# KiCad board yddraig09.kicad_pcb (continued)
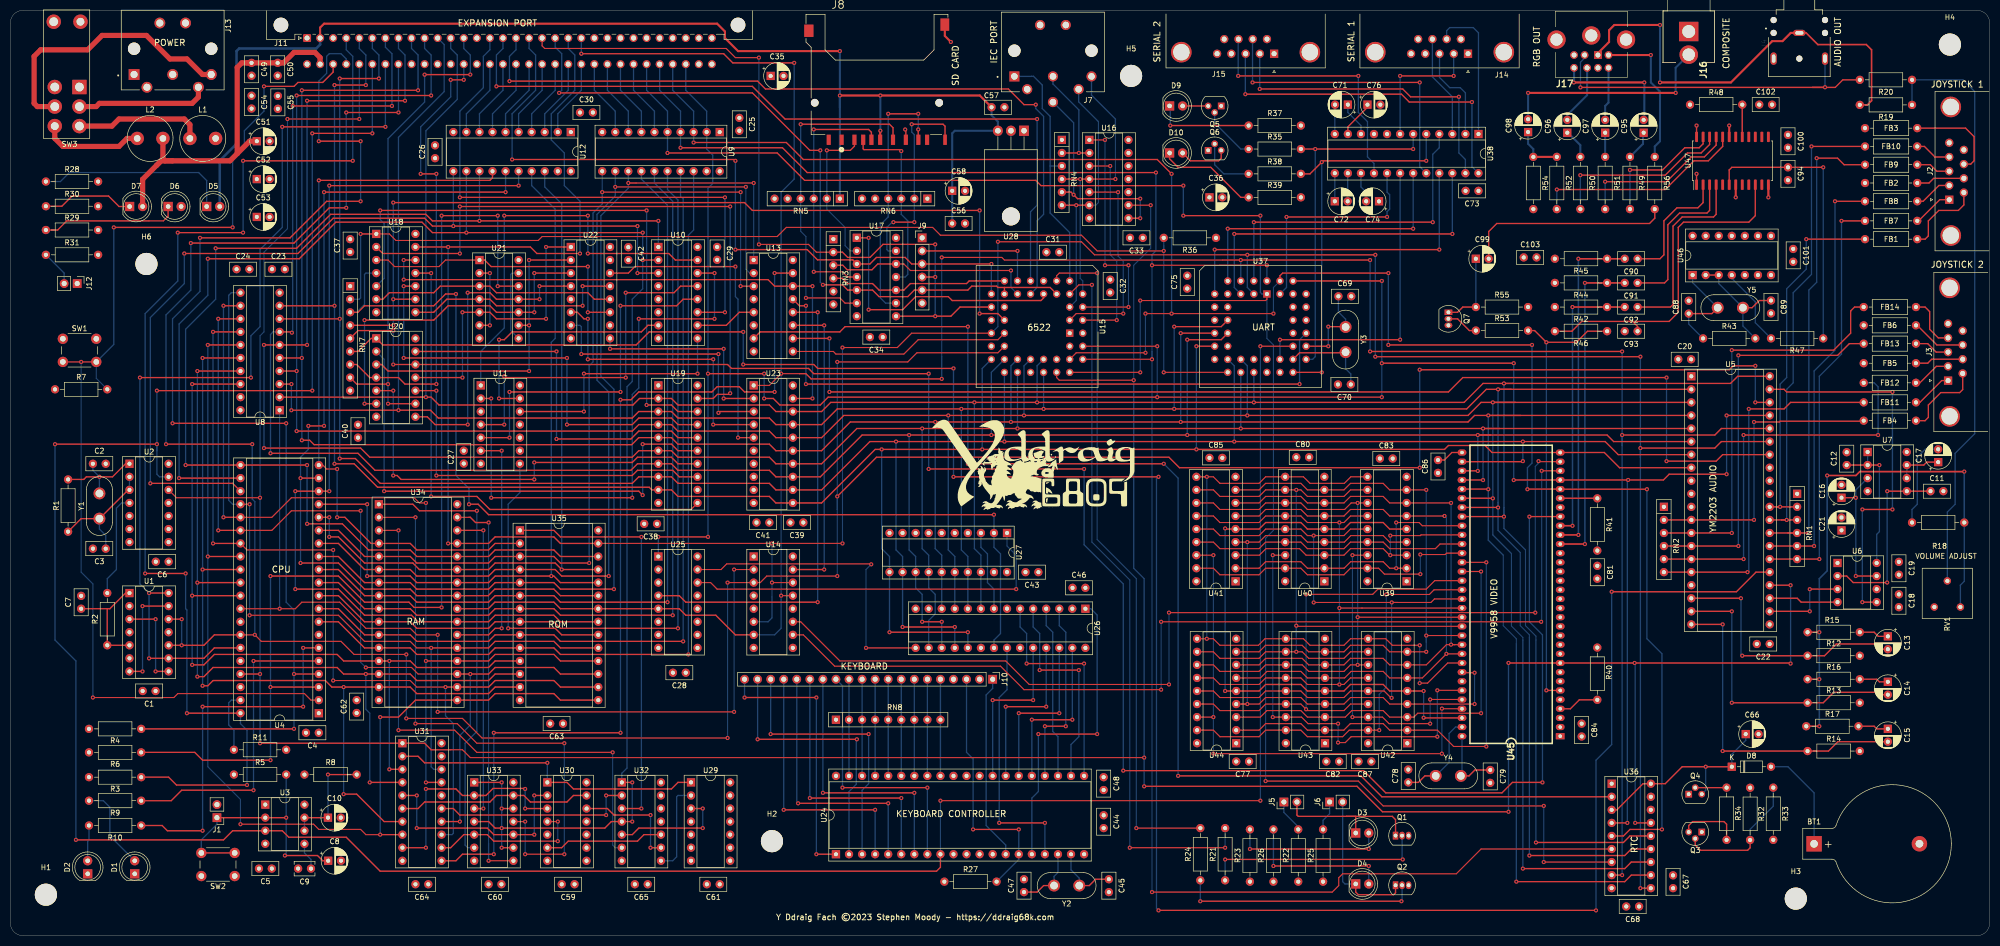
[diagram p0: board, top side]
## Routing (per net, layer and track width the routed paths; a pad name or vN(x,y) marks a point on that pad's centre or on a via; arc(x,y) is an arc through that point) (continued)
  Top w0.25: v1(111.57,109.32) v1(133.67,109.32) ; U11.12 v1(111.57,101.96)
  Bottom w0.25: v1(133.67,109.32) U10.9 ; v1(111.57,109.32) v1(111.57,101.96)
/Decode Logic/~{MEME}: length 47.6
  Top w0.25: v1(95.06,115.93) 96.08,115.93 97.6,117.45 122.75,117.45 124.02,118.72 U10.7 ; v1(95.06,104.5) U11.13
  Bottom w0.25: v1(95.06,115.93) v1(95.06,104.5)
/Decode Logic/~{VDP_RD}: length 197.4
  Top w0.21: v1(296.61,62.84) v1(225.36,62.84) ; U14.11 153.74,61.06 161.36,53.44 193.61,53.44 198.19,48.87 v1(225.36,48.87) ; v1(297.25,92.3) 297.34,92.21 U45.31
  Bottom w0.21: v1(296.61,62.84) 296.61,91.29 297.12,91.8 297.12,92.18 v1(297.25,92.3) ; v1(225.36,48.87) v1(225.36,62.84)
/Decode Logic/~{VDP_WR}: length 196.2
  Top w0.21: v1(223.84,61.06) v1(297.75,61.06) ; U14.10 154.24,58.52 160.34,52.43 192.6,52.43 197.17,47.85 v1(223.84,47.85) ; U45.30 v1(297.85,90.43)
  Bottom w0.21: v1(297.85,90.43) 297.85,61.16 v1(297.75,61.06) ; v1(223.84,47.85) v1(223.84,61.06)
/Interrupts/~{IRQ0}: length 213.9
  Top w0.21: v1(224.35,133.2) 211.39,133.2 208.35,136.25 180.91,136.25 179.39,137.77 150.94,137.77 149.16,135.99 103.44,135.99 102.68,135.23 75,135.23 73.73,136.5 U18.1 ; v1(224.35,109.58) U37.18
  Top w0.25: v1(68.14,136.5) U18.1
  Bottom w0.21: 224.35,134.21 R36.2 ; 224.35,134.21 v1(224.35,109.58) ; 224.35,134.21 v1(224.35,133.2)
  Bottom w0.25: v1(68.14,136.5) 68.14,124.05 67.88,123.8 RN7.2
/Interrupts/~{IRQ3}: length 374
  Top w0.25: v1(216.47,32.11) 263.21,32.11 267.53,27.79 290.13,27.79 292.17,29.82 v1(298.01,29.82) ; v1(74.49,117.7) 67.63,117.7 RN7.5 ; U45.25 295.49,81.53 v1(295.47,81.51) ; v1(74.49,111.1) U20.12 139.51,111.1 140.27,110.34 155.26,110.34 156.28,109.32 v1(178.63,109.32) ; v1(178.63,90.78) v1(208.85,90.78)
  Bottom w0.25: v1(216.47,32.11) 216.47,68.43 208.85,76.05 v1(208.85,90.78) ; v1(74.49,111.1) v1(74.49,117.7) ; v1(295.47,81.51) 295.47,61.06 298.01,58.52 v1(298.01,29.82) ; v1(178.63,109.32) v1(178.63,90.78)
/Interrupts/~{IRQ5}: length 88.6
  Top w0.25: v1(79.82,148.18) v1(82.87,148.18) ; RN7.7 67.38,111.1 69.92,108.56 U20.4 75.5,108.56 76.77,107.29 v1(82.87,107.29) ; v1(85.66,166.47) v1(88.2,166.47)
  Bottom w0.25: v1(82.87,148.18) v1(82.87,107.29) ; v1(85.66,166.47) 85.66,163.17 79.82,157.33 v1(79.82,148.18) ; v1(88.2,166.47) J11.C13
/Interrupts/~{IRQ6}: length 96.7
  Top w0.25: U20.9 v1(73.47,103.48) ; v1(73.47,107.29) 67.38,107.29 RN7.8 ; v1(80.58,167.49) v1(89.47,167.49)
  Bottom w0.25: J11.A13 88.2,172.57 89.47,171.3 v1(89.47,167.49) ; v1(80.58,167.49) 80.58,162.15 73.47,155.04 v1(73.47,107.29) v1(73.47,103.48)
/IO/ATN_OUT: length 49
  Top w0.21: U16.1 v1(212.92,154.79) ; v1(217.49,130.4) v1(212.92,130.4) ; U15.4 v1(217.49,122.28)
  Bottom w0.21: v1(217.49,122.28) v1(217.49,130.4) ; v1(212.92,154.79) v1(212.92,130.4)
/IO/CLK_IN: length 54.9
  Top w0.21: U16.4 v1(214.95,147.17)
  Top w0.25: RN4.4 v1(208.09,147.17) U16.4
  Bottom w0.21: U15.6 208.6,127.36 208.09,127.86 v1(208.09,147.17) ; v1(214.95,147.17) 214.95,157.58
  Bottom w0.25: 214.95,157.58 214.95,158.85 210.3,163.5 J7.5
/IO/CLK_OUT: length 40.6
  Top w0.21: U15.3 207.33,121.01 v1(216.47,121.01) ; v1(215.46,144.63) U16.5
  Bottom w0.21: v1(215.46,144.63) 215.46,132.18 216.47,131.17 v1(216.47,121.01)
/IO/DATA_IN: length 51.3
  Top w0.25: RN4.6 v1(207.33,142.09) U16.6
  Bottom w0.21: U15.5 207.33,123.55 v1(207.33,142.09) ; 211.52,158.47 211.65,158.34 211.65,142.6 211.14,142.09 U16.6
  Bottom w0.25: 211.52,158.47 207.8,162.19 J7.4
/IO/DATA_OUT: length 41.2
  Top w0.21: U15.2 v1(215.2,119.74) ; U16.3 v1(213.93,149.71)
  Bottom w0.21: v1(215.2,119.74) 215.2,131.17 213.93,132.44 v1(213.93,149.71)
/IO/IEC_ATTN: length 22.3
  Top w0.25: RN4.2 v1(207.84,152.25) U16.2
  Bottom w0.25: J7.3 202.8,165.67 207.84,160.63 v1(207.84,152.25)
/IO/SD_CD: length 35
  Top w0.25: RN3.4 161.86,127.86 162.88,126.85 167.71,126.85 168.98,125.58 U17.10 173.8,125.58 175.07,126.85 185.99,126.85 186.5,127.36 U15.17
/IO/SD_CDV3: length 36.4
  Top w0.25: J8.CD 165.89,153.05 166.04,152.9 173.01,152.9 v1(173.29,152.61)
  Bottom w0.25: U17.11 174.06,128.12 174.56,128.63 174.56,139.04 173.29,140.31 RN6.3 v1(173.29,152.61)
/IO/SD_CLK: length 65.1
  Top w0.21: U17.6 162.37,123.04 161.36,124.05 v1(154.75,124.05)
  Top w0.25: v1(153.74,157.84) 171.01,157.84 171.69,157.15 J8.5
  Bottom w0.21: RN5.4 153.74,137.01 154.75,135.99 v1(154.75,124.05)
  Bottom w0.25: RN5.4 v1(153.74,157.84)
/IO/SD_MISO: length 50.8
  Top w0.25: v1(176.6,156.82) 176.6,154.84 J8.7 ; v1(170.75,159.87) v1(176.6,159.87)
  Bottom w0.25: U17.9 170.25,123.04 169.23,124.05 169.23,138.28 170.75,139.8 RN6.4 v1(170.75,159.87) ; v1(176.6,159.87) v1(176.6,156.82)
/IO/SD_MOSI: length 49.4
  Top w0.21: U17.4 162.88,128.12 161.86,129.13 v1(156.28,129.13)
  Top w0.25: J8.3 167.49,156.27 166.94,156.82 v1(156.28,156.82)
  Bottom w0.21: RN5.3 v1(156.28,129.13)
  Bottom w0.25: RN5.3 v1(156.28,156.82)
/IO/SD_WP: length 41
  Top w0.21: v1(194.63,129.39) 175.07,129.39 173.8,130.66 U17.12
  Top w0.25: RN3.3 161.91,130.4 162.79,129.53 167.6,129.53 168.72,130.66 U17.12
  Bottom w0.21: v1(194.63,129.39) 194.63,126.09 U15.16
/IO/SD_WPV3: length 40.5
  Top w0.25: J8.WP 181.81,157.45 181.42,157.84 v1(175.33,157.84) ; v1(171.77,138.79) v1(175.83,138.79)
  Bottom w0.25: v1(171.77,138.79) 171.52,138.79 170.5,137.77 170.5,133.45 170.75,133.2 U17.13 ; v1(175.83,138.79) RN6.2 175.83,155.8 175.33,156.31 v1(175.33,157.84)
/IO/SPI_CLK: length 142.4
  Top w0.25: v1(158.05,126.59) 161.86,126.59 162.88,125.58 U17.5 167.71,125.58 168.98,124.31 174.56,124.31 175.83,125.58 J9.5 186.25,125.58 187.01,126.34 191.84,126.34 192.09,126.09 193.36,126.09 ; U15.10 202.25,126.09 193.36,126.09 ; 193.36,126.09 U15.19 ; v1(106.75,163.93) 144.34,163.93 155.51,152.76 v1(157.55,152.76)
  Bottom w0.25: v1(157.55,152.76) 157.55,127.1 v1(158.05,126.59) ; v1(106.75,163.93) 107.25,164.44 107.25,171.55 105.98,172.82 J11.A20
/IO/SPI_MISO: length 153.1
  Top w0.21: J11.A19 103.44,173.08 103.95,172.57 139.26,172.57 141.04,170.79 v1(145.61,170.79) ; v1(145.61,134.47) 155.26,134.47 156.78,132.94 RN3.2
  Top w0.25: v1(179.9,134.47) 169.74,134.47 167.2,131.93 162.88,131.93 161.86,132.94 RN3.2 ; J9.4 v1(179.9,128.12) ; U15.20 184.72,122.28 182.95,120.5 v1(179.9,120.5) U17.8
  Bottom w0.21: v1(145.61,134.47) v1(145.61,170.79)
  Bottom w0.25: v1(179.9,120.5) v1(179.9,128.12) v1(179.9,134.47)
/IO/SPI_MOSI: length 144.7
  Top w0.25: v1(141.04,133.45) 155.01,133.45 157,131.46 163.86,131.46 U17.3 167.2,130.66 168.47,131.93 174.06,131.93 175.33,130.66 J9.3 v1(190.82,130.66) ; v1(97.6,150.98) 140.78,150.98 v1(141.04,150.72)
  Bottom w0.25: J11.A18 100.9,172.57 102.17,171.3 102.17,164.44 97.6,159.87 v1(97.6,150.98) ; v1(141.04,133.45) v1(141.04,150.72) ; v1(190.82,130.66) U15.18
/IO/USER1: length 139.9
  Top w0.21: U15.8 207.84,126.59 v1(210.38,126.59) ; v1(217.74,17.12) v1(236.29,17.12)
  Bottom w0.21: v1(217.74,17.12) 217.74,69.19 210.38,76.56 v1(210.38,126.59) ; v1(236.29,17.12) R21.2
/IO/USER2: length 132.7
  Top w0.21: v1(219.01,20.93) R24.2 ; v1(211.39,128.88) 204.03,128.88 203.52,128.37 U15.9
  Bottom w0.21: v1(211.39,128.88) 211.39,77.06 219.01,69.44 v1(219.01,20.93)
/IO/~{IEC_RESET}: length 41.5
  Top w0.25: v1(219.78,143.36) 207.58,143.36 v1(206.82,144.12) 206.31,144.63 RN4.5 ; v1(219.78,139.55) U16.8
  Bottom w0.25: v1(206.82,144.12) 206.82,158.12 J7.6 ; v1(219.78,143.36) v1(219.78,139.55)
/IO/~{IEC_SRQIN}: length 48.7
  Bottom w0.25: 202.25,149.71 RN4.3 ; 202.25,149.71 202.25,159.36 200.73,160.88 200.73,165.46 199.02,167.16 198.62,167.16 198.6,167.14 J7.1 ; 202.25,149.71 202.25,140.56 206.06,136.75 U15.7
/IO/~{IRQ_VIA}: length 177.2
  Top w0.25: v1(188.53,121.01) 192.09,121.01 U15.23 ; RN7.4 v1(74.49,118.72) ; v1(74.49,123.8) U18.9 ; v1(74.49,142.6) 142.81,142.6 144.34,141.07 v1(188.53,141.07)
  Bottom w0.25: v1(188.53,141.07) v1(188.53,121.01) ; v1(74.49,118.72) 74.49,123.29 ; 74.49,123.29 v1(74.49,142.6) ; 74.49,123.29 v1(74.49,123.8)
/IO/~{SD_SS}: length 29.7
  Top w0.25: J8.2 164.19,153.56 163.38,152.76 v1(158.82,152.76)
  Bottom w0.21: U17.2 163.39,133.2 162.37,134.21 162.37,137.77 158.82,141.33 RN5.2
  Bottom w0.25: RN5.2 v1(158.82,152.76)
/IO/~{SPI_SS0}: length 52.6
  Top w0.25: v1(166.94,121.77) 173.55,121.77 176.09,124.31 182.44,124.31 183.2,123.55 200.47,123.55 200.98,124.05 U15.12 ; v1(166.94,135.74) U17.1
  Bottom w0.25: v1(166.94,121.77) v1(166.94,135.74)
/IO/~{SPI_SS1}: length 149.7
  Top w0.25: v1(199.71,158.85) 150.69,158.85 144.34,165.2 v1(94.55,165.2)
  Bottom w0.25: v1(199.71,158.85) 199.71,142.09 198.44,140.82 U15.13 ; v1(94.55,165.2) 94.55,171.3 95.82,172.57 J11.A16
/IO/~{SPI_SS2}: length 151.7
  Top w0.25: v1(97.09,166.22) 145.35,166.22 146.88,164.69 194.12,164.69 197.17,161.65 v1(199.46,161.65)
  Bottom w0.25: U15.14 199.71,126.09 199.71,139.04 200.98,140.31 200.98,159.36 199.46,160.88 v1(199.46,161.65) ; J11.A17 98.36,172.31 97.09,171.04 v1(97.09,166.22)
/IO/~{SPI_SS3}: length 24.4
  Top w0.25: J9.2 v1(195.9,133.2)
  Bottom w0.25: v1(195.9,133.2) U15.15
/Keyboard/SCDAT0: length 44.2
  Top w0.25: v1(208.85,52.93) v1(197.68,52.93)
  Bottom w0.25: U26.6 196.41,60.05 197.68,58.78 v1(197.68,52.93) ; U24.21 v1(208.85,52.93)
/Keyboard/SCDAT1: length 41.3
  Top w0.25: v1(207.84,51.66) v1(200.22,51.66)
  Bottom w0.25: U26.5 198.95,60.05 200.22,58.78 v1(200.22,51.66) ; v1(207.84,51.66) 207.84,38.71 206.31,37.19 U24.22
/Keyboard/SCDAT2: length 33.5
  Bottom w0.25: U26.4 201.49,60.3 202.76,59.03 202.76,39.73 203.77,38.71 U24.23
/Keyboard/SCDAT3: length 37.1
  Top w0.25: v1(201.23,40.74) v1(205.3,40.74)
  Bottom w0.25: v1(205.3,40.74) 205.3,59.03 204.03,60.3 U26.3 ; U24.24 v1(201.23,40.74)
/Keyboard/SCDAT4: length 32.8
  Top w0.25: v1(198.69,42.01) v1(206.57,42.01)
  Bottom w0.25: v1(206.57,42.01) U26.27 ; U24.25 v1(198.69,42.01)
/Keyboard/SCDAT5: length 32.8
  Top w0.25: v1(196.15,43.28) v1(204.03,43.28)
  Bottom w0.25: v1(204.03,43.28) U26.26 ; U24.26 v1(196.15,43.28)
/Keyboard/SCDAT6: length 32.8
  Top w0.25: v1(193.61,44.55) v1(201.49,44.55)
  Bottom w0.25: U24.27 v1(193.61,44.55) ; v1(201.49,44.55) U26.25
/Keyboard/SCDAT7: length 32.8
  Top w0.25: v1(191.07,45.82) v1(198.95,45.82)
  Bottom w0.25: v1(198.95,45.82) U26.24 ; U24.28 v1(191.07,45.82)
/Keyboard/~{COL0}: length 51.8
  Top w0.25: v1(156.78,15.85) U24.1 ; v1(142.81,46.33) v1(156.78,46.33)
  Bottom w0.25: v1(156.78,46.33) v1(156.78,15.85) ; J10.20 v1(142.81,46.33)
/Keyboard/~{COL1}: length 54
  Top w0.25: v1(145.35,38.2) v1(164.66,38.2)
  Bottom w0.25: J10.19 v1(145.35,38.2) ; v1(164.66,38.2) 164.55,38.09 164.55,29.46 163.13,28.04 U24.2
/Keyboard/~{COL2}: length 53.6
  Top w0.25: v1(147.89,39.22) v1(166.94,39.22)
  Bottom w0.25: v1(166.94,39.22) 166.94,29.57 165.67,28.3 U24.3 ; J10.18 v1(147.89,39.22)
/Keyboard/~{COL3}: length 51.8
  Top w0.25: v1(150.43,24.49) v1(168.21,24.49)
  Bottom w0.25: v1(168.21,24.49) U24.4 ; J10.17 v1(150.43,24.49)
/Keyboard/~{COL4}: length 51.7
  Top w0.25: v1(153.23,25.76) v1(170.75,25.76)
  Bottom w0.25: v1(153.23,25.76) 152.97,26.01 J10.16 ; v1(170.75,25.76) U24.5
/Keyboard/~{COL5}: length 51.8
  Top w0.25: v1(155.51,26.77) v1(173.29,26.77)
  Bottom w0.25: v1(173.29,26.77) U24.6 ; J10.15 v1(155.51,26.77)
/Keyboard/~{COL6}: length 51.8
  Top w0.25: v1(158.05,27.79) v1(175.83,27.79)
  Bottom w0.25: v1(175.83,27.79) U24.7 ; J10.14 v1(158.05,27.79)
/Keyboard/~{COL7}: length 51.1
  Top w0.25: v1(161.86,28.8) v1(178.37,28.8)
  Bottom w0.25: U24.8 v1(178.37,28.8) ; J10.13 161.86,48.62 v1(161.86,28.8)
/Keyboard/~{COL8}: length 36.1
  Bottom w0.25: J10.1 191.07,48.11 189.8,46.84 189.8,21.44 193.61,17.63 U24.14
/Keyboard/~{FIFO_CLR}: length 49.7
  Top w0.25: v1(192.34,21.95) v1(201.23,21.95)
  Bottom w0.25: v1(201.23,21.95) U24.17 ; U26.22 193.87,47.85 192.34,46.33 v1(192.34,21.95)
/Keyboard/~{FIFO_EMPTY}: length 205.6
  Top w0.25: v1(86.68,124.82) 84.66,124.82 82.37,122.53 68.9,122.53 67.63,121.26 RN7.3 ; v1(191.33,81.89) 93.03,81.89 91,83.92 v1(89.22,83.92)
  Bottom w0.25: v1(86.68,124.82) 86.68,89.51 89.22,86.97 v1(89.22,83.92) ; v1(191.33,81.89) U27.2 191.33,75.54 192.6,74.27 192.6,58.78 191.33,57.51 U26.21 ; U18.4 69.15,128.88 68.9,128.63 68.9,122.78 67.38,121.26 RN7.3
/Keyboard/~{FIFO_FULL}: length 15.8
  Bottom w0.25: U27.3 188.79,75.54 190.06,74.27 190.06,68.68 191.33,67.41 U26.8
/Keyboard/~{FIFO_RD}: length 60.6
  Top w0.21: v1(166.44,55.98) U26.15 ; U25.15 138.24,71.22 139.35,72.33 167.36,72.33 v1(167.45,72.24)
  Bottom w0.21: v1(166.44,55.98) 166.44,71.22 v1(167.45,72.24)
/Keyboard/~{FIFO_WR}: length 61.3
  Top w0.25: v1(199.96,39.22) v1(211.39,39.22)
  Bottom w0.25: U24.16 198.69,26.77 199.96,28.04 v1(199.96,39.22) ; v1(211.39,39.22) 211.39,62.37 210.16,63.6 U26.1
/Keyboard/~{KBD_STATUS}: length 74.2
  Top w0.21: v1(195.65,67.41) 137.48,67.41 136.21,68.68 U25.14
  Bottom w0.21: U27.1 193.87,75.79 195.65,74.02 v1(195.65,67.41)
/Keyboard/~{ROW0}: length 18.8
  Bottom w0.25: U24.39 RN8.2 J10.12
/Keyboard/~{ROW1}: length 18.8
  Bottom w0.25: J10.11 RN8.3 U24.38
/Keyboard/~{ROW2}: length 18.8
  Bottom w0.25: J10.10 RN8.4 U24.37
/Keyboard/~{ROW3}: length 18.8
  Bottom w0.25: U24.36 RN8.5 J10.9
/Keyboard/~{ROW4}: length 18.8
  Bottom w0.25: J10.8 RN8.6 U24.35
/Keyboard/~{ROW5}: length 18.8
  Bottom w0.25: U24.34 RN8.7 J10.7
/Keyboard/~{ROW6}: length 18.8
  Bottom w0.25: J10.6 RN8.8 U24.33
/Keyboard/~{ROW7}: length 18.8
  Bottom w0.25: U24.32 RN8.9 J10.5
/Keyboard/~{ROW8}: length 50.6
  Top w0.25: v1(187.26,20.68) v1(196.15,20.68)
  Bottom w0.25: J10.3 185.99,35.66 187.26,34.39 v1(187.26,20.68) ; R27.2 196.15,14.83 U24.15 v1(196.15,20.68)
/RAM and ROM/BSEL0: length 61.5
  Top w0.25: v1(104.46,33.63) 80.58,33.63 79.31,34.9 U31.2 ; U29.1 129.86,29.82 128.59,28.55 109.54,28.55 108.27,29.82 U30.1
  Bottom w0.25: v1(104.46,33.63) U30.1
/RAM and ROM/BSEL1: length 42.7
  Top w0.25: v1(101.92,19.66) U33.10 94.05,19.66 92.78,20.93 v1(79.06,20.93) ; v1(79.06,27.28) U31.5 ; v1(101.92,27.28) U30.2
  Bottom w0.25: v1(101.92,19.66) v1(101.92,27.28) ; v1(79.06,20.93) v1(79.06,27.28)
/RAM and ROM/BSEL2: length 37.9
  Top w0.25: U31.6 79.31,24.74 80.58,26.01 93.28,26.01 94.55,27.28 U33.13 99.89,27.28 101.16,26.01 108.27,26.01 109.54,27.28 U30.13
/RAM and ROM/BSEL3: length 46.3
  Top w0.25: v1(100.14,28.55) 100.05,28.64 93.89,28.64 92.52,27.28 92.01,27.28 ; U30.3 v1(100.14,24.74) ; v1(80.84,28.55) 86.68,28.55 87.95,27.28 92.01,27.28 ; 92.01,27.28 U33.2 ; v1(80.84,17.12) U31.9
  Bottom w0.25: v1(80.84,28.55) v1(80.84,17.12) ; v1(100.14,28.55) v1(100.14,24.74)
/RAM and ROM/BSEL4: length 30
  Top w0.21: v1(106.49,22.2) U30.4 ; 99.13,18.39 v1(106.49,18.39)
  Top w0.25: 99.13,18.39 94.05,18.39 92.78,19.66 U33.5 88.2,19.66 85.66,17.12 U31.12
  Bottom w0.21: v1(106.49,18.39) v1(106.49,22.2)
/RAM and ROM/BSEL5: length 39.4
  Top w0.25: v1(115.89,27.28) U32.2 ; U31.15 86.17,24.74 87.44,23.47 v1(115.89,23.47)
  Bottom w0.25: v1(115.89,23.47) v1(115.89,27.28)
/RAM and ROM/D0: length 164.5
  Top w0.25: v1(35.37,107.29) U8.18 ; U34.13 72.96,53.44 ; 72.96,53.44 v1(73.73,53.44) 77.79,53.44 79.06,52.17 93.03,52.17 94.3,53.44 U35.11 ; 72.96,53.44 64.84,53.44 63.57,54.71 39.69,54.71 37.66,52.68 v1(35.37,52.68) ; U4.31 v1(35.37,66.14) ; v1(73.73,32.36) U31.3
  Bottom w0.25: v1(35.37,107.29) v1(35.37,66.14) v1(35.37,52.68) ; v1(73.73,53.44) v1(73.73,32.36)
/RAM and ROM/D1: length 169
  Top w0.25: U31.4 v1(69.92,29.82) ; U4.30 v1(36.39,68.68) ; v1(36.39,50.39) 37.66,50.39 39.44,52.17 63.57,52.17 64.84,50.9 v1(69.15,50.9) U34.14 77.79,50.9 79.06,49.63 93.03,49.63 94.3,50.9 U35.12 ; v1(36.39,109.83) U8.17
  Bottom w0.25: v1(36.39,109.83) v1(36.39,68.68) v1(36.39,50.39) ; v1(69.92,29.82) 69.92,43.28 69.15,44.04 v1(69.15,50.9)
/RAM and ROM/D2: length 176.7
  Top w0.25: U8.16 v1(37.4,112.37) ; U31.7 72.71,22.2 67.38,27.53 v1(64.84,27.53) ; U35.13 94.3,48.36 93.03,47.09 79.06,47.09 77.79,48.36 U34.15 v1(64.84,48.36) 62.55,48.36 61.28,49.63 39.44,49.63 38.42,48.62 v1(37.4,48.62) ; U4.29 v1(37.4,71.22)
  Bottom w0.25: v1(37.4,112.37) v1(37.4,71.22) v1(37.4,48.62) ; v1(64.84,27.53) v1(64.84,48.36)
/RAM and ROM/D3: length 208.6
  Top w0.21: v1(71.95,19.66) 69.15,19.66 68.14,20.68 60.01,20.68 58.99,21.69 v1(44.77,21.69)
  Top w0.25: U8.15 v1(38.42,114.91) ; U31.8 v1(71.95,19.66) ; v1(71.95,42.52) 75.5,42.52 78.81,45.82 U34.17 93.03,45.82 94.3,47.09 105.73,47.09 107,45.82 U35.15 ; U4.28 v1(38.42,73.76)
  Bottom w0.21: v1(44.77,21.69) 44.77,26.52 38.42,32.87 v1(38.42,73.76)
  Bottom w0.25: v1(71.95,42.52) v1(71.95,19.66) ; v1(38.42,73.76) v1(38.42,114.91)
/RAM and ROM/D4: length 180.4
  Top w0.21: U4.27 46.04,75.03 v1(62.8,75.03) ; v1(84.65,48.36) 79.06,48.36 77.79,49.63 v1(62.8,49.63)
  Top w0.25: U8.14 v1(39.44,117.45) ; U35.16 107,48.36 105.73,49.63 94.3,49.63 93.03,48.36 U34.18 v1(84.65,48.36) ; U4.27 v1(39.44,76.3)
  Bottom w0.21: v1(62.8,49.63) v1(62.8,75.03)
  Bottom w0.25: v1(84.65,48.36) 84.65,42.77 86.17,41.25 86.17,19.91 85.92,19.66 U31.13 ; v1(39.44,76.3) v1(39.44,117.45)
/RAM and ROM/D5: length 185.5
  Top w0.21: U34.19 79.31,50.9 78.04,52.17 v1(69.15,52.17) ; U4.26 50.87,78.84 54.68,82.65 v1(68.14,82.65)
  Top w0.25: U4.26 v1(40.45,78.84) ; U8.13 v1(40.45,119.99) ; U31.14 v1(87.44,22.2) ; U35.17 107,50.9 105.73,52.17 94.3,52.17 93.03,50.9 v1(89.47,50.9) U34.19
  Bottom w0.21: v1(68.14,82.65) 68.14,53.19 v1(69.15,52.17)
  Bottom w0.25: v1(40.45,78.84) v1(40.45,119.99) ; v1(87.44,22.2) 87.44,38.96 89.47,41 v1(89.47,50.9)
/RAM and ROM/D6: length 177.8
  Top w0.21: U4.25 50.87,81.38 54.68,85.19 78.55,85.19 79.57,84.18 v1(80.84,84.18)
  Top w0.25: U35.18 107,53.44 105.73,54.71 94.3,54.71 93.03,53.44 U34.20 v1(80.84,53.44) ; U31.17 v1(80.84,29.82) ; U8.12 v1(41.47,122.53) ; U4.25 v1(41.47,81.38)
  Bottom w0.21: v1(80.84,53.44) v1(80.84,84.18)
  Bottom w0.25: v1(41.47,81.38) v1(41.47,122.53) ; v1(80.84,53.44) v1(80.84,29.82)
/RAM and ROM/D7: length 165.2
  Top w0.21: U4.24 v1(46.55,83.92) ; v1(81.85,55.98) 79.06,55.98 77.79,57.25 68.9,57.25 63.82,62.33 v1(46.55,62.33)
  Top w0.25: U35.19 107,55.98 105.73,57.25 94.3,57.25 93.03,55.98 U34.21 v1(81.85,55.98)
  Bottom w0.21: v1(46.55,62.33) v1(46.55,83.92)
  Bottom w0.25: U31.18 82.36,32.36 81.85,32.87 v1(81.85,55.98) ; U8.11 42.99,125.07 42.48,124.56 42.48,84.68 43.25,83.92 U4.24
/RAM and ROM/RAMB0: length 106.1
  Top w0.21: v1(75.5,39.98) 86.43,39.98 90.74,35.66 v1(117.16,35.66) ; U34.3 v1(75.5,78.84)
  Bottom w0.21: v1(75.5,78.84) v1(75.5,39.98) ; v1(117.16,35.66) 117.16,17.63 117.67,17.12 U32.6
/RAM and ROM/RAMB1: length 77.1
  Top w0.21: U34.31 89.22,81.38 ; U33.8 v1(93.03,14.58)
  Top w0.25: v1(93.03,80.37) 90.49,80.37 89.47,81.38 89.22,81.38
  Bottom w0.21: 93.03,17.88 v1(93.03,80.37)
  Bottom w0.25: 93.03,17.88 v1(93.03,14.58)
/RAM and ROM/RAMB2: length 115.6
  Top w0.21: v1(100.14,15.85) v1(107.76,15.85) ; U33.11 v1(100.14,22.2) ; v1(78.81,81.38) U34.2 ; v1(78.81,41.25) 86.93,41.25 90.74,37.44 v1(107.76,37.44)
  Bottom w0.21: v1(107.76,15.85) v1(107.76,37.44) ; v1(78.81,41.25) v1(78.81,81.38) ; v1(100.14,22.2) v1(100.14,15.85)
/RAM and ROM/RAMB3: length 61
  Top w0.25: U33.3 v1(92.01,24.74) ; U34.30 v1(92.01,78.84)
  Bottom w0.25: v1(92.01,24.74) v1(92.01,78.84)
/RAM and ROM/RAMB4: length 87.5
  Top w0.25: v1(90.74,82.65) 79.57,82.65 78.3,83.92 U34.1
  Bottom w0.25: U33.6 88.97,17.12 88.46,17.63 88.46,37.44 90.74,39.73 v1(90.74,82.65)
/RAM and ROM/ROMBANK: length 80.8
  Top w0.25: U32.3 v1(122.75,24.74) ; U35.1 105.73,78.84 107,77.57 v1(122.75,77.57)
  Bottom w0.25: v1(122.75,24.74) v1(122.75,77.57)
/Serial Ports/CTSA: length 63.9
  Top w0.25: v1(241.87,138.79) v1(276.67,138.79)
  Bottom w0.25: U38.4 277.94,153.26 276.67,151.99 v1(276.67,138.79) ; U37.2 v1(241.87,138.79)
/Serial Ports/CTSB: length 44
  Top w0.25: v1(267.78,139.8) v1(248.22,139.8)
  Bottom w0.25: U38.17 267.78,144.63 268.29,144.12 268.29,141.33 267.78,140.82 v1(267.78,139.8) ; v1(248.22,139.8) 248.22,126.09 U37.43
/Serial Ports/RTSA: length 59.6
  Top w0.25: v1(246.95,115.93) v1(270.32,115.93)
  Bottom w0.25: U38.18 v1(270.32,115.93) ; v1(246.95,115.93) U37.27
/Serial Ports/RTSB: length 67.2
  Top w0.25: v1(234.25,133.45) v1(277.94,133.45)
  Bottom w0.25: U37.7 v1(234.25,133.45) ; U38.21 v1(277.94,133.45)
/Serial Ports/RXDA: length 77.1
  Top w0.25: U37.28 v1(255.08,109.58) ; v1(275.4,150.72) 255.34,150.72 v1(255.08,150.47) 252.8,148.18 R38.2
  Bottom w0.25: v1(255.08,109.58) v1(255.08,150.47) ; v1(275.4,150.72) U38.5
/Serial Ports/RXDB: length 57
  Top w0.25: v1(236.79,137.52) v1(272.86,137.52)
  Bottom w0.25: v1(272.86,137.52) U38.19 ; U37.6 v1(236.79,137.52)
/Serial Ports/TXDA: length 67.1
  Top w0.25: v1(272.86,153.01) v1(253.81,153.01) R35.2
  Bottom w0.25: v1(272.86,153.01) U38.6 ; U37.29 253.3,112.12 253.81,112.62 v1(253.81,153.01)
/Serial Ports/TXDB: length 66.4
  Top w0.25: v1(238.06,136.5) v1(280.48,136.5)
  Bottom w0.25: v1(238.06,136.5) 238.06,126.09 U37.5 ; U38.22 v1(280.48,136.5)
/Video/BLUE: length 55.1
  Top w0.3: v1(303.85,122.28) R42.1 C92.2 ; v1(303.85,79.73) 303.83,79.75 U45.24
  Bottom w0.3: v1(303.85,79.73) v1(303.85,122.28)
/Video/GREEN: length 63.4
  Top w0.3: C91.2 R44.1 v1(306.26,126.97) ; v1(306.26,76.17) 306.25,76.19 U45.22
  Bottom w0.3: v1(306.26,76.17) v1(306.26,126.97)
/Video/RED: length 66.3
  Top w0.3: U45.23 304.98,77.97 v1(304.99,77.95) ; v1(304.99,131.67) R45.1 C90.2
  Bottom w0.3: v1(304.99,77.95) v1(304.99,131.67)
/Video/VA0: length 137.7
  Top w0.21: 269.79,64.82 276.32,64.82 277,65.51 282.36,65.51 U45.49 ; 269.79,64.82 v1(253.51,64.82) ; 269.79,64.82 v1(268.7,64.82) ; U39.14 260.67,79.1 259.4,77.83 v1(253.49,77.83) 252.29,77.83 251.02,79.1 U40.14 244.16,79.1 242.89,77.83 235.27,77.83 234,79.1 U41.14 ; v1(268.67,46.27) 268.54,46.27 267.21,47.6 U42.14 260.67,47.6 259.4,46.33 252.29,46.33 251.02,47.6 U43.14 244.16,47.6 242.89,46.33 235.27,46.33 234,47.6 U44.14
  Bottom w0.21: v1(268.67,46.27) 268.67,64.8 v1(268.7,64.82) ; v1(253.51,64.82) 253.49,64.83 v1(253.49,77.83)
/Video/VA1: length 127.4
  Top w0.21: U44.13 234,50.14 235.27,48.87 242.89,48.87 244.16,50.14 U43.13 251.02,50.14 252.29,48.87 v1(258.51,48.87) 259.4,48.87 260.67,50.14 U42.13 ; U39.13 260.67,81.64 259.4,80.37 v1(258.51,80.37) 252.29,80.37 251.02,81.64 U40.13 244.16,81.64 242.89,80.37 235.27,80.37 234,81.64 U41.13 ; U45.50 262.91,63.73 262.91,63.73 v1(258.51,63.73)
  Bottom w0.21: v1(258.51,63.73) 258.51,62.46 ; 258.51,62.46 v1(258.51,48.87) ; 258.51,62.46 v1(258.51,80.37)
/Video/VA2: length 123.6
  Top w0.21: U39.12 v1(262.07,84.18) 260.8,84.18 259.53,82.91 252.29,82.91 251.02,84.18 U40.12 244.16,84.18 242.89,82.91 235.27,82.91 234,84.18 U41.12 ; U44.12 234,52.68 235.27,51.41 242.89,51.41 244.16,52.68 U43.12 251.27,52.68 252.54,51.41 259.4,51.41 260.67,52.68 v1(262.07,52.68) U42.12 ; U45.51 262.07,61.95 v1(262.07,61.95)
  Bottom w0.21: 262.07,60.94 v1(262.07,84.18) ; 262.07,60.94 v1(262.07,61.95) ; 262.07,60.94 v1(262.07,52.68)
/Video/VA3: length 136.6
  Top w0.21: U44.11 234,55.22 235.27,53.95 242.89,53.95 244.16,55.22 U43.11 v1(250.13,55.22) 251.27,55.22 252.54,53.95 259.4,53.95 260.67,55.22 U42.11 ; v1(250.13,60.3) 250.26,60.17 282.35,60.17 U45.52 ; U39.11 260.67,86.72 259.4,85.45 252.29,85.45 251.02,86.72 v1(250.13,86.72) U40.11 244.16,86.72 242.89,85.45 235.27,85.45 234,86.72 U41.11
  Bottom w0.21: 250.13,58.27 v1(250.13,86.72) ; 250.13,58.27 v1(250.13,55.22) ; 250.13,58.27 v1(250.13,60.3)
/Video/VA4: length 118
  Top w0.21: U44.8 242.89,55.22 244.16,56.49 251.27,56.49 252.54,55.22 U43.8 259.4,55.22 260.67,56.49 267.02,56.49 268.29,55.22 U42.8 v1(275.4,55.22) ; U45.53 v1(275.41,58.39) ; U41.8 242.89,86.72 244.16,87.99 251.02,87.99 252.29,86.72 U40.8 259.4,86.72 260.67,87.99 267.02,87.99 268.29,86.72 U39.8 v1(275.4,86.72)
  Bottom w0.21: v1(275.41,58.39) 275.4,58.38 275.4,57.12 ; 275.4,57.12 v1(275.4,86.72) ; 275.4,57.12 v1(275.4,55.22)
/Video/VA5: length 120
  Top w0.21: v1(280.23,56.62) 280.24,56.61 280.98,56.61 ; 280.98,56.61 U45.54 ; 280.98,56.61 279.33,56.61 275.4,52.68 U42.7 268.29,52.68 267.02,53.95 260.67,53.95 259.4,52.68 U43.7 252.54,52.68 251.27,53.95 244.16,53.95 242.89,52.68 U44.7 ; v1(280.23,84.18) U39.7 268.29,84.18 267.02,85.45 260.67,85.45 259.4,84.18 U40.7 252.29,84.18 251.02,85.45 244.16,85.45 242.89,84.18 U41.7
  Bottom w0.21: v1(280.23,56.62) v1(280.23,84.18)
/Video/VA6: length 117.7
  Top w0.21: U45.55 v1(279.33,54.83) 274.64,50.14 U42.6 268.29,50.14 267.02,51.41 260.8,51.41 259.53,50.14 U43.6 252.29,50.14 251.02,51.41 244.41,51.41 243.14,50.14 U44.6 ; v1(278.96,81.64) U39.6 268.29,81.64 267.02,82.91 260.67,82.91 259.4,81.64 U40.6 252.29,81.64 251.02,82.91 244.16,82.91 242.89,81.64 U41.6
  Bottom w0.21: v1(279.33,54.83) 279.33,81.27 v1(278.96,81.64)
/Video/VA7: length 130.5
  Top w0.21: U45.56 279.58,53.05 275.66,49.12 v1(274.13,49.12) ; 232.22,89.26 234,89.26 235.27,87.99 242.89,87.99 244.16,89.26 U40.10 251.53,89.26 252.8,87.99 259.46,87.99 260.73,89.26 U39.10 ; 232.22,89.26 v1(232.73,89.26) ; 232.22,89.26 U41.10 ; v1(274.13,56.49) 268.8,56.49 267.53,57.76 U42.10 260.67,57.76 259.4,56.49 252.8,56.49 251.53,57.76 U43.10 244.03,57.76 242.76,56.49 235.27,56.49 234,57.76 v1(232.73,57.76) U44.10
  Bottom w0.21: v1(274.13,56.49) v1(274.13,49.12) ; v1(232.73,89.26) v1(232.73,57.76)
